# Altium PCB HOUZZkitF1_Tester.PcbDoc (part 1 of 2)
Units mil, origin at the board's own origin, x right, y up, seen from the top; angles counter-clockwise.
Board outline 7086.61 x 6023.62 mil, 2 copper layers (Top Layer, Bottom Layer), stack 62.192 mil thick; 161 components, 169 nets, 789 pads, 406 vias.
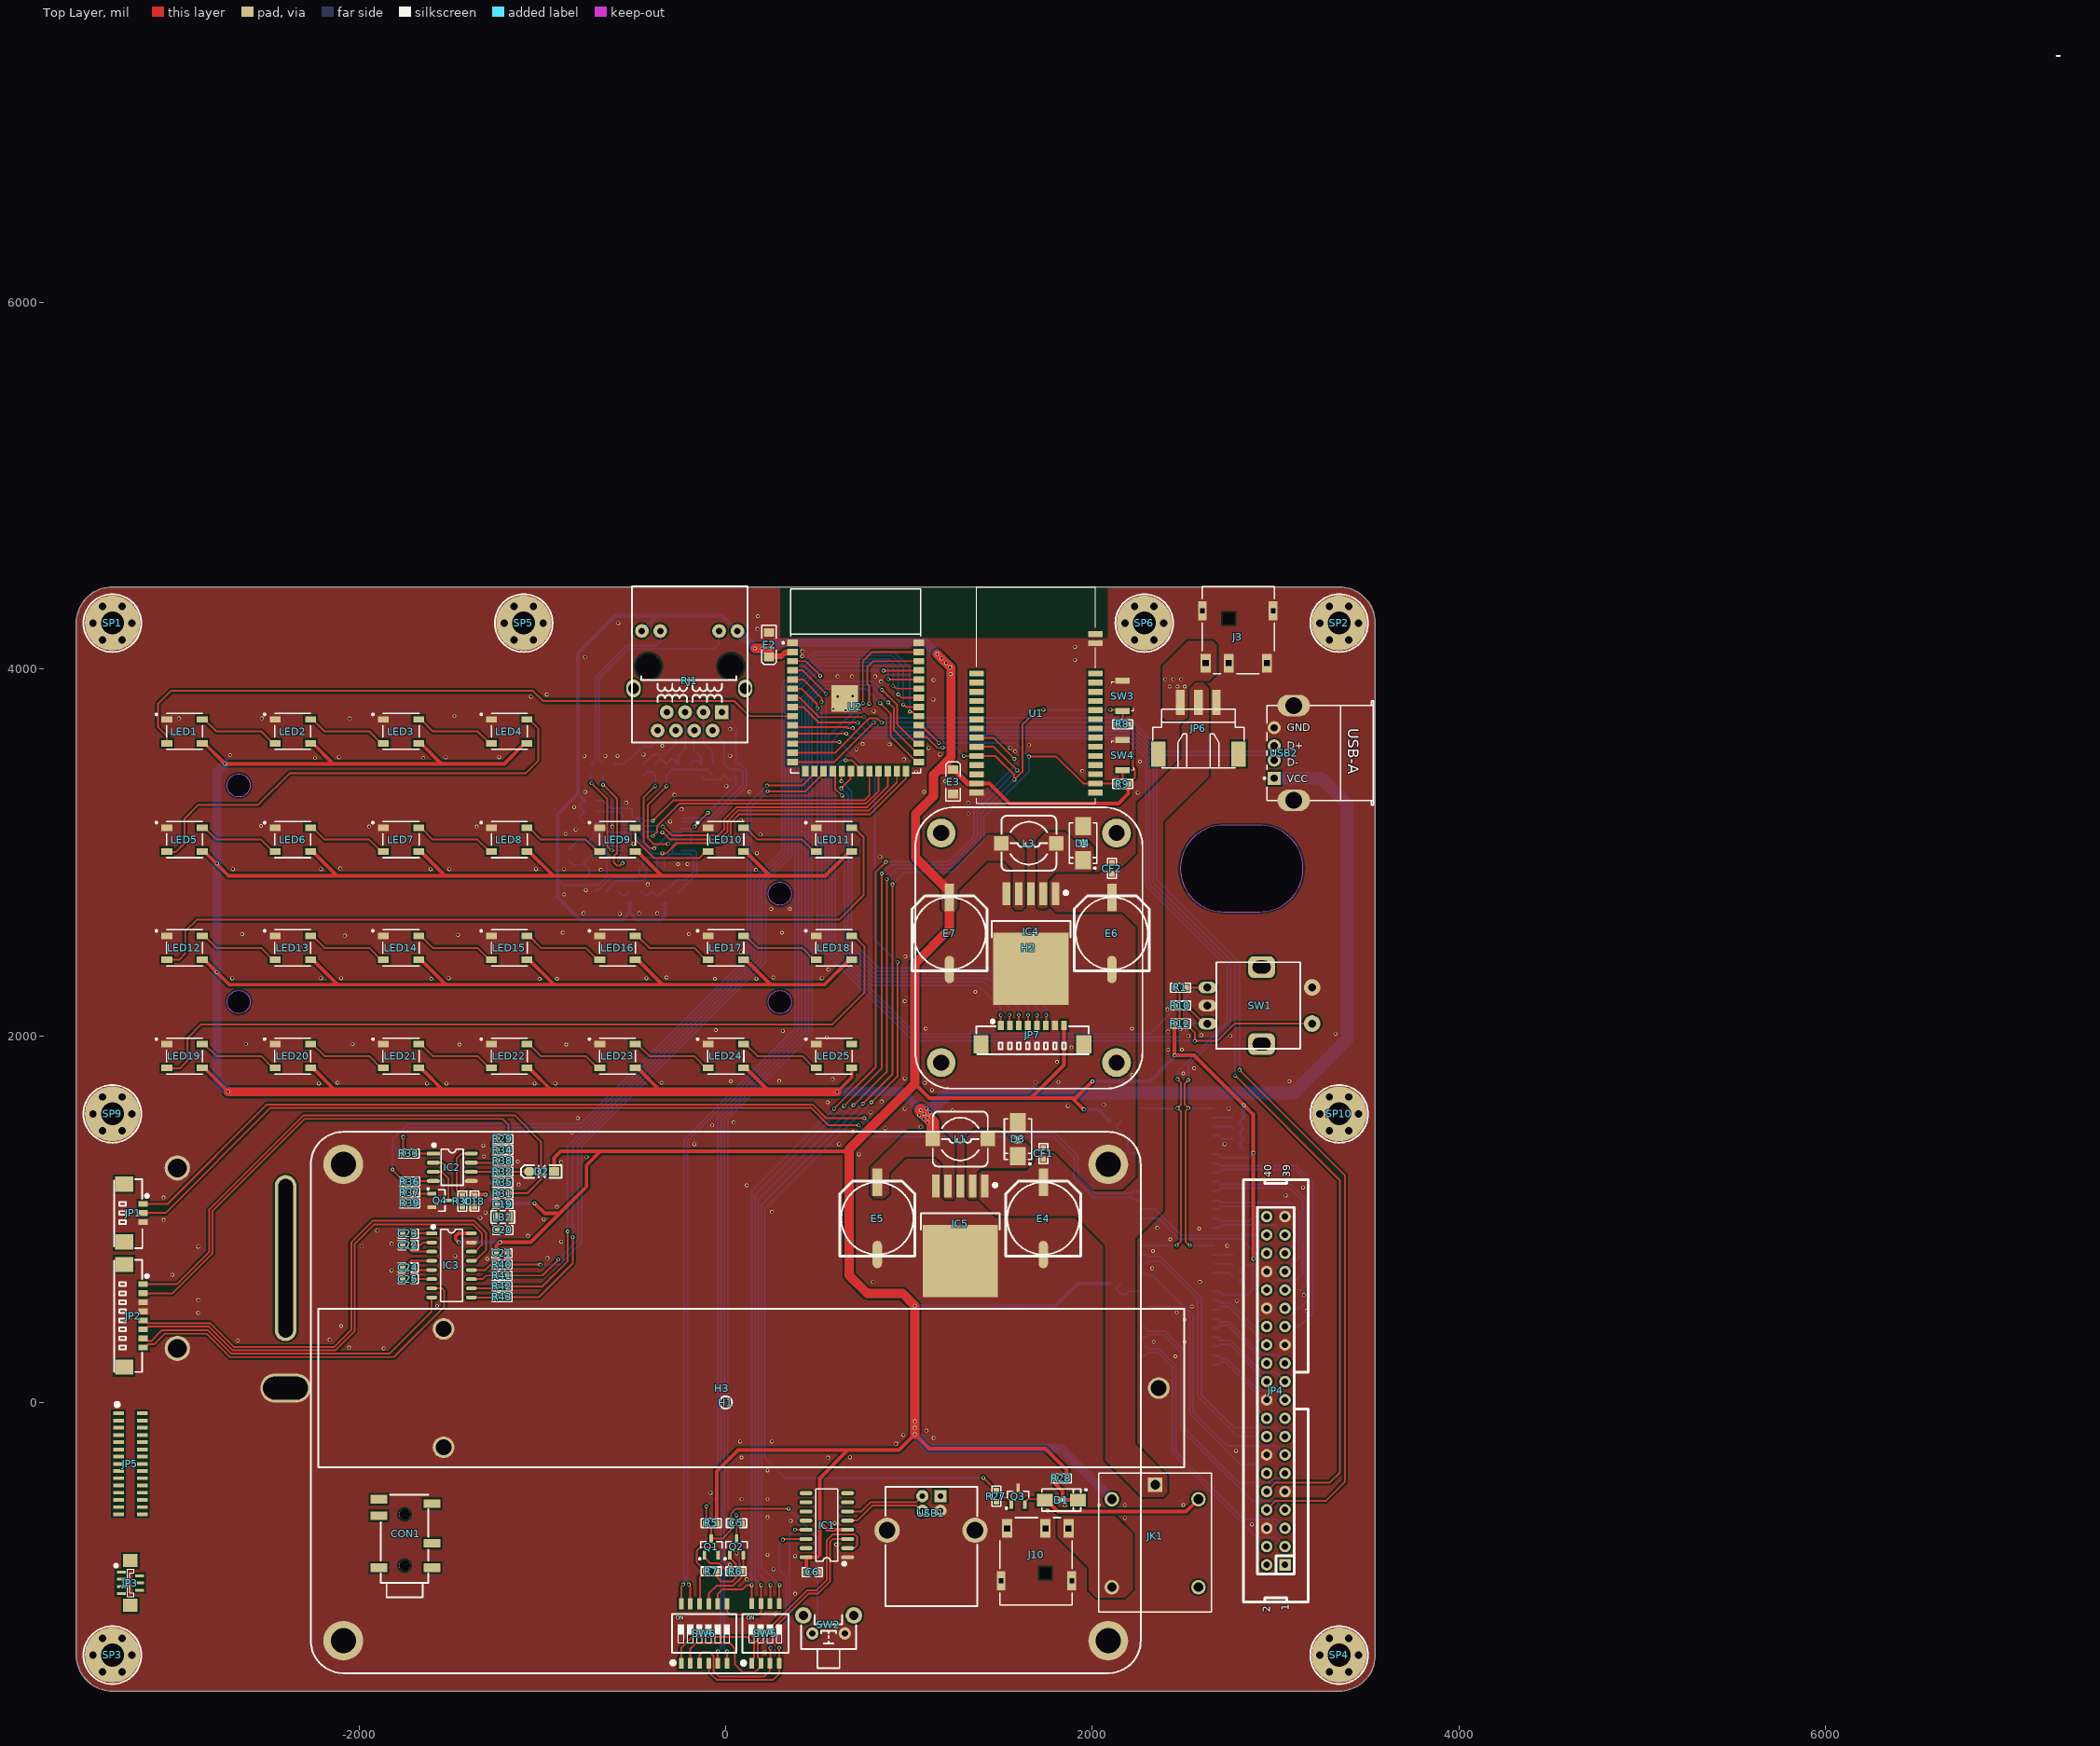
[diagram p0: Top Layer view]
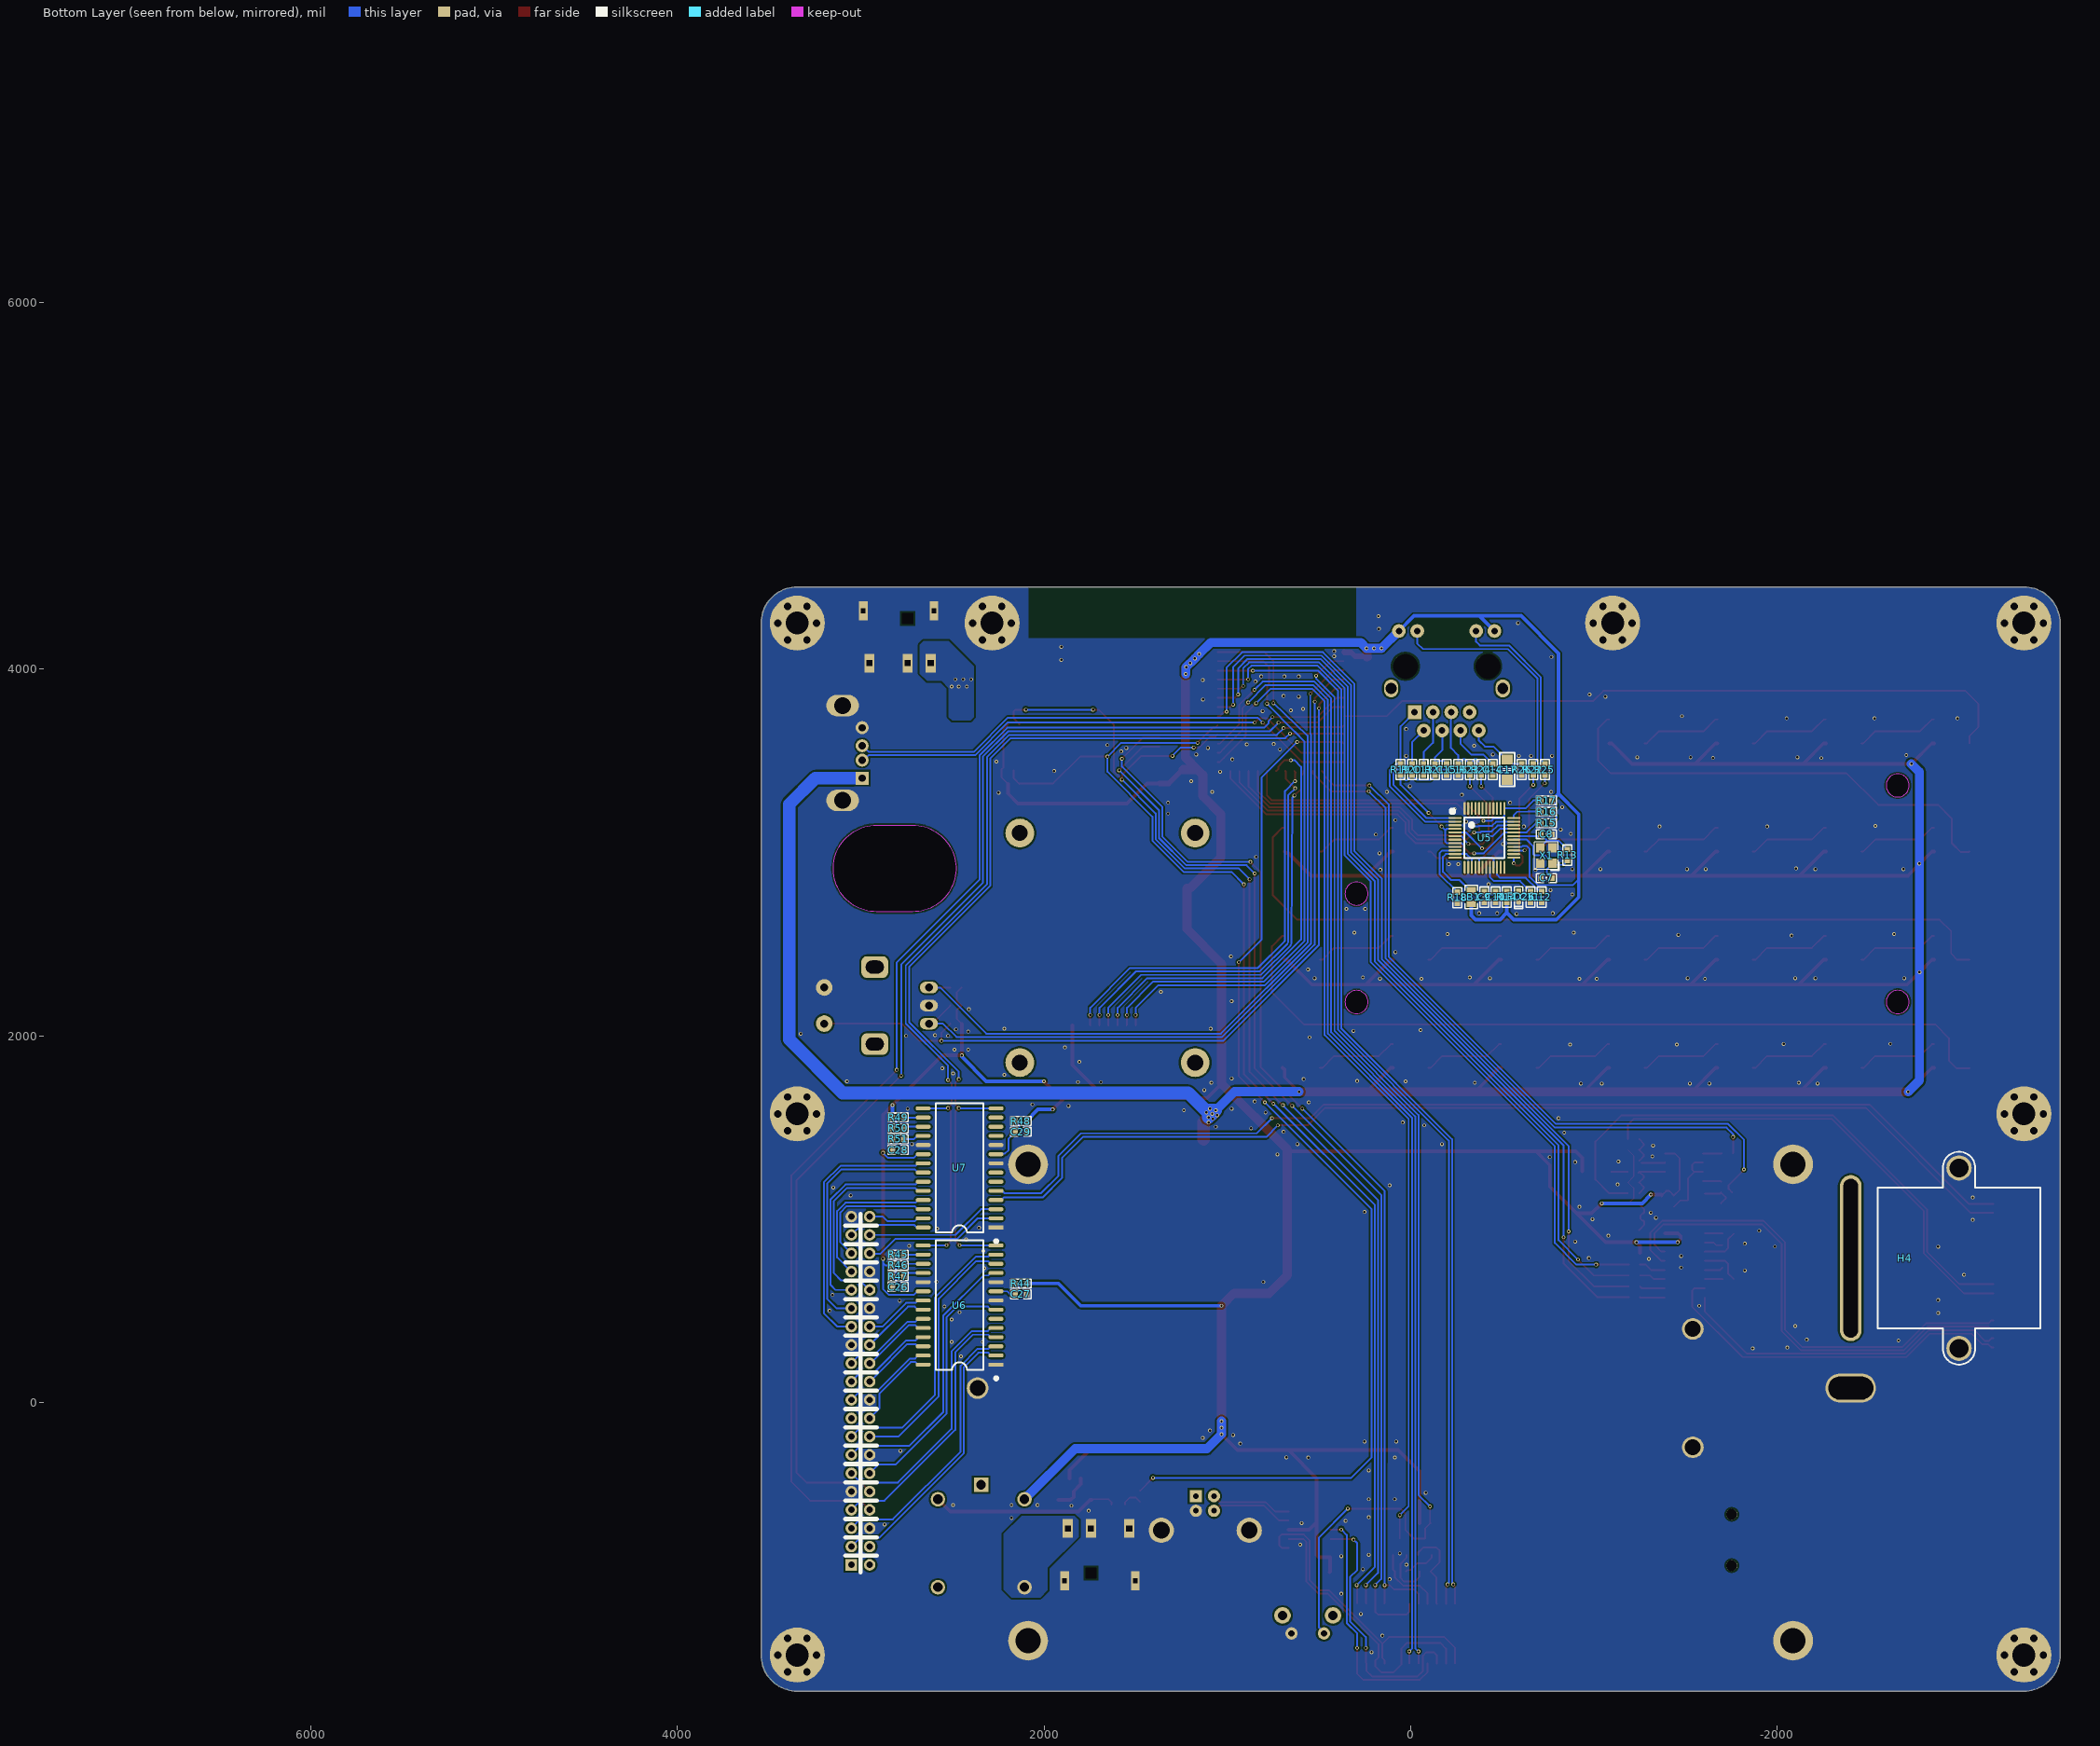
[diagram p1: Bottom Layer view, seen from below]
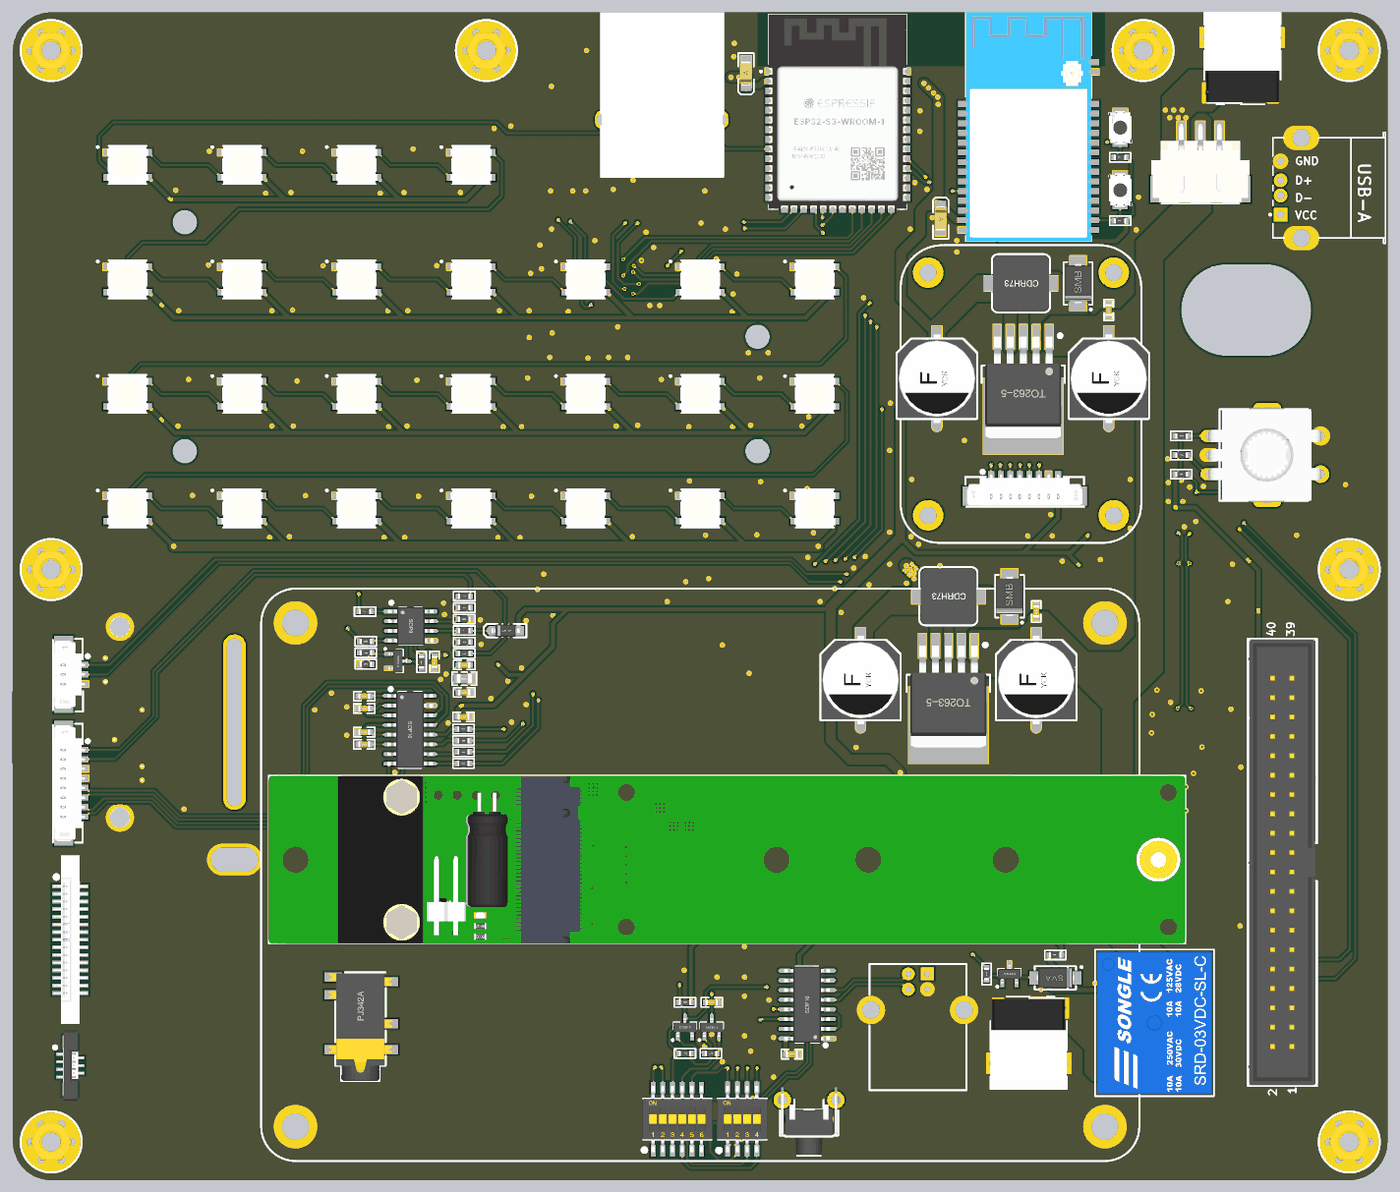
[diagram p3: 3D render of the assembled board from above, using the file's embedded part models]
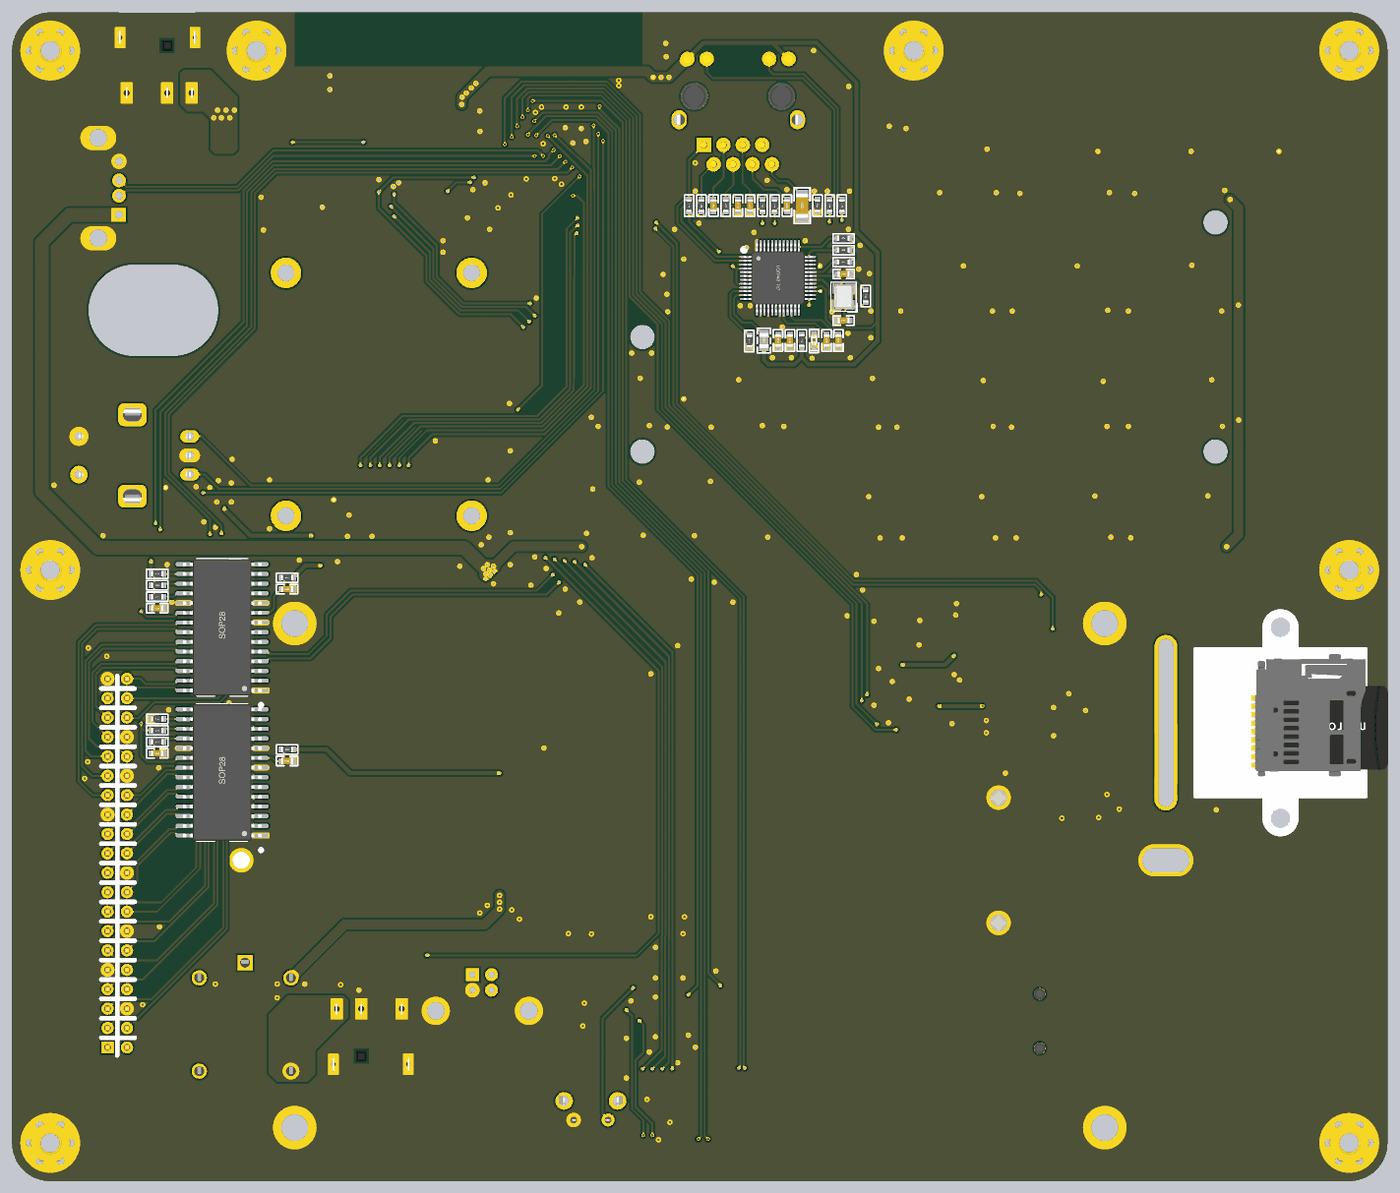
[diagram p4: 3D render of the assembled board from below, using the file's embedded part models]

## Layer stack, top to bottom
Top Solder: solder mask 0.4, Solder Resist, Dk 3.5
Top Layer: signal copper 1.4
Dielectric 1: dielectric 59.3921, FR-4, Dk 4.8
Bottom Layer: signal copper 1.4
Bottom Solder: solder mask 0.4, Solder Resist, Dk 3.5

## Board outline
-3543.31,-1377.95 -3543.31,4251.97 cw(c-3346.46,4251.97) -3346.46,4448.82 3346.46,4448.82 cw(c3346.46,4251.97) 3543.31,4251.97 3543.31,-1377.95 cw(c3346.46,-1377.95) 3346.46,-1574.8 -3346.46,-1574.8 cw(c-3346.46,-1377.95)
cut-out: 295.28,2712.6 cw(c295.28,2775.59) 232.28,2775.59 cw(c295.28,2775.59) 295.28,2838.58 cw(c295.28,2775.59) 358.27,2775.59 cw(c295.28,2775.59)
cut-out: 295.28,2122.05 cw(c295.28,2185.04) 232.28,2185.04 cw(c295.28,2185.04) 295.28,2248.03 cw(c295.28,2185.04) 358.27,2185.04 cw(c295.28,2185.04)
cut-out: 2716.54,2677.17 2913.39,2677.17 ccw(c2913.39,2913.39) 2913.39,3149.61 2716.54,3149.61 ccw(c2716.54,2913.39)
cut-out: -2657.48,2122.05 cw(c-2657.48,2185.04) -2720.47,2185.04 cw(c-2657.48,2185.04) -2657.48,2248.03 cw(c-2657.48,2185.04) -2594.49,2185.04 cw(c-2657.48,2185.04)
cut-out: -2657.48,3303.15 cw(c-2657.48,3366.14) -2720.47,3366.14 cw(c-2657.48,3366.14) -2657.48,3429.13 cw(c-2657.48,3366.14) -2594.49,3366.14 cw(c-2657.48,3366.14)

## Design rules (kind name [scope] priority, off if disabled: settings)
Clearance [All] p1: gap=10 ignorepadtopadclearanceinfootprint=FALSE except(0: Arc-Hole Track-Hole SMDPad-Hole THPad-Hole Via-Hole Fill-Hole Poly-Hole Region-Hole Text-Hole; 6: Arc-SMDPad Arc-THPad Track-SMDPad Track-THPad SMDPad-SMDPad THPad-THPad; 8: Arc-Arc Arc-Track Track-Track)
Height [All] p1: minheight=0 maxheight=3000 prefheight=500
PolygonConnect [All] p1: connectstyle=Direct reliefconductorwidth=10 reliefentries=4 polygonreliefangle="90 Angle" airgapwidth=10
RoutingVias [All] p1: holewidth=12 width=20 viastyle="Through Hole" minholewidth=12 minwidth=20 maxholewidth=28 maxwidth=50
SolderMaskExpansion [All] p1: expansion=4 istentingtop=FALSE
Width [All] p1: maxlimit=100 minlimit=6 preferedwidth=10
29 further rules are at their usual default settings.

## Components (designator, comment, footprint, x,y, rotation, side; value= is the part's Value field where it differs from the comment)
C5 "105" "C 0603_L" 59.06,-657.48 r180 top locked
C6 "104" "C 0603_L" 472.44,-925.2 r180 top locked
C7 "22pF" "C 0603_L" -740.93,2861.09 r180 bottom
C8 "22pF" "C 0603_L" -740.93,3100.5 r0 bottom
C9 "4.7uF" "C 0603_L" -402.93,2757.44 r90 bottom
C10 "0.1uF" "C 0603_L" -464.17,2757.44 r90 bottom
C11 "4.7uF" "C 0603_L" -653.48,2757.44 r270 bottom
C12 "10nF" "C 0603_L" -714.72,2757.44 r270 bottom
C13 "6.8nF" "C 0603_L" -70.87,3452.76 r270 bottom
C14 "6.8nF" "C 0603_L" -448.82,3452.76 r270 bottom
C15 "22nF" "C 0603_L" -196.85,3452.76 r90 bottom
C16 "10nF" "C 0603_L" -259.84,3452.76 r90 bottom
C17 "1nF" "C 1206_L" -527.56,3452.76 r90 bottom
C18 "100nF" "C 0603_L" -1370.08,1098.43 r90 top
C19 "100nF" "C 0603_L" -1216.54,1082.68 r0 top
C20 "100nF" "C 0603_L" -1216.54,940.94 r180 top
C21 "100nF" "C 0603_L" -1220.47,814.96 r180 top
C22 "100nF" "C 0603_L" -1732.28,858.27 r180 top
C23 "100nF" "C 0603_L" -1732.28,921.26 r0 top
C24 "100nF" "C 0603_L" -1732.28,736.22 r180 top
C25 "100nF" "C 0603_L" -1732.28,673.23 r180 top
C26 "0.1uF" "C 0603_L" 2795.28,629.92 r0 bottom
C27 "33pF" "C 0603_L" 2125.98,590.55 r0 bottom
C28 "0.1uF" "C 0603_L" 2795.28,1377.95 r0 bottom
C29 "33pF" "C 0603_L" 2125.98,1476.38 r0 bottom
CF1 "105" "C 0603_L" 1732.28,1358.27 r270 top
CF2 "105" "C 0603_L" 2106.3,2913.39 r270 top
CON1 "PJ342" PJ342A -1751.97,-1062.99 r180 top locked
D1 "M7" SMA 1830.71,-531.5 r0 top
D2 "1N5819" SOD-123 -1003.94,1259.84 r180 top
D3 "1N5822" SMB 1594.49,1437.01 r270 top
D4 "1N5822" SMB 1948.82,3051.18 r270 top
E2 "100uF/6.3V" "CD A(3216)" 236.22,4133.86 r90 top
E3 "100uF/6.3V" "CD A(3216)" 1240.16,3385.83 r270 top locked
E4 "470uF/35V" "CM F(10*10.2)" 1732.28,1003.94 r90 top
E5 "470uF/35V" "CM F(10*10.2)" 826.77,1003.94 r90 top
E6 "470uF/35V" "CM F(10*10.2)" 2106.3,2559.06 r90 top
E7 "470uF/35V" "CM F(10*10.2)" 1220.47,2559.06 r90 top
H1 "HOUZZkit-F1" HOUZZKIT-F1 0,0 r180 top locked
H2 "1.69SPI_Display" 1.69SPI_DISPLAY 1653.54,2480.31 r0 top locked
H3 "R44SF" R44SF 2362.2,78.74 r0 top locked
H4 "tfcard_test_wire_female" TFCARD_TEST_WIRE_FEMALE -2992.13,787.4 r270 bottom locked
IC1 "CH340C" SOP16_N 551.18,-669.29 r180 top locked
IC2 "SP3485" SOP8_N -1492.13,1283.46 r0 top locked
IC3 "MAX232" SOP16_L -1496.06,748.03 r0 top locked
IC4 "LM2596-5.0V" TO263-5A 1665.35,2775.59 r180 top locked
IC5 "LM2596-3.3V" TO263-5A 1279.53,1181.1 r180 top
J3 "DC-044A" DC-044A 2795.28,4212.6 r270 top locked
J10 "DC-044A" DC-044A 1692.91,-866.14 r90 top locked
JK1 "SRD-03VDC-SL-C" SRD-03VDC-SL-C 2342.52,-767.72 r90 top
JP1 "HDR-1X3" "MX 1.25-LS-3P" -3267.72,1181.1 r270 top locked
JP2 "HDR-1X8" "MX 1.25-LS-8P" -3267.72,472.44 r270 top locked
JP3 "FPC1.0-7P" "FPC0.5 K-A-7PB" -3248.03,-984.25 r270 top locked
JP4 "Header 2X11" IDC2.54-LI-2x20P 3051.18,-885.83 r90 top
JP5 "FPC1.0-15P" FPC1.0-2H-LI-15P -3248.03,-334.65 r270 top locked
JP6 "HDR-1X3" XH2.54-WS-3P 2578.74,3622.05 r0 top locked
JP7 "HDR-1X8" "MX 1.25-LS-8P" 1673.23,1968.5 r0 top locked
L1 "33uH" CDRH73 1279.53,1437.01 r180 top
L3 "33uH" CDRH73 1653.54,3051.18 r180 top
LB1 "120R@100MHz" "FB 0805_L" -330.54,2757.44 r90 bottom
LB2 "120R@100MHz" "FB 0805_L" -1216.54,1011.81 r180 top
LED1 "WS2812B" WRSM-SMD5050-4_V -2952.76,3661.42 r180 top locked
LED2 "WS2812B" WRSM-SMD5050-4_V -2362.2,3661.42 r180 top locked
LED3 "WS2812B" WRSM-SMD5050-4_V -1771.65,3661.42 r180 top locked
LED4 "WS2812B" WRSM-SMD5050-4_V -1181.1,3661.42 r180 top locked
LED5 "WS2812B" WRSM-SMD5050-4_V -2952.76,3070.87 r180 top locked
LED6 "WS2812B" WRSM-SMD5050-4_V -2362.2,3070.87 r180 top locked
LED7 "WS2812B" WRSM-SMD5050-4_V -1771.65,3070.87 r180 top locked
LED8 "WS2812B" WRSM-SMD5050-4_V -1181.1,3070.87 r180 top locked
LED9 "WS2812B" WRSM-SMD5050-4_V -590.55,3070.87 r180 top locked
LED10 "WS2812B" WRSM-SMD5050-4_V 0,3070.87 r180 top locked
LED11 "WS2812B" WRSM-SMD5050-4_V 590.55,3070.87 r180 top locked
LED12 "WS2812B" WRSM-SMD5050-4_V -2952.76,2480.31 r180 top locked
LED13 "WS2812B" WRSM-SMD5050-4_V -2362.2,2480.31 r180 top locked
LED14 "WS2812B" WRSM-SMD5050-4_V -1771.65,2480.31 r180 top locked
LED15 "WS2812B" WRSM-SMD5050-4_V -1181.1,2480.31 r180 top locked
LED16 "WS2812B" WRSM-SMD5050-4_V -590.55,2480.31 r180 top locked
LED17 "WS2812B" WRSM-SMD5050-4_V 0,2480.31 r180 top locked
LED18 "WS2812B" WRSM-SMD5050-4_V 590.55,2480.31 r180 top locked
LED19 "WS2812B" WRSM-SMD5050-4_V -2952.76,1889.76 r180 top locked
LED20 "WS2812B" WRSM-SMD5050-4_V -2362.2,1889.76 r180 top locked
LED21 "WS2812B" WRSM-SMD5050-4_V -1771.65,1889.76 r180 top locked
LED22 "WS2812B" WRSM-SMD5050-4_V -1181.1,1889.76 r180 top locked
LED23 "WS2812B" WRSM-SMD5050-4_V -590.55,1889.76 r180 top locked
LED24 "WS2812B" WRSM-SMD5050-4_V 0,1889.76 r180 top locked
LED25 "WS2812B" WRSM-SMD5050-4_V 590.55,1889.76 r180 top locked
LED26 "红色" "LED 0603B" -589.45,2760.22 r270 bottom
Q1 "SS8050" SOT23-3N -78.74,-787.4 r0 top locked
Q2 "SS8050" SOT23-3N 59.06,-787.4 r0 top locked
Q3 "SS8550" SOT23-3N 1594.49,-511.81 r0 top
Q4 "S8050" SOT23-3N -1559.06,1102.36 r270 top
R1 "10K" "R 0603_L" 2480.31,2263.78 r0 top
R5 "10K" "R 0603_L" -78.74,-657.48 r0 top locked
R6 "10K" "R 0603_L" 55.12,-921.26 r180 top locked
R7 "10K" "R 0603_L" -78.74,-921.26 r0 top locked
R8 "10K" "R 0603_L" 2165.35,3700.79 r0 top
R9 "10K" "R 0603_L" 2165.35,3374.02 r0 top
R10 "10K" "R 0603_L" 2480.31,2165.35 r0 top
R12 "10K" "R 0603_L" 2480.32,2066.93 r0 top
R13 "1M" "R 0603_L" -855.07,2986.36 r270 bottom
R14 "1K" "R 0603_L" -525.42,2757.44 r270 bottom
R15 "10K" "R 0603_L" -740.93,3161.75 r180 bottom
R16 "10K" "R 0603_L" -740.93,3222.99 r180 bottom
R17 "10K" "R 0603_L" -740.93,3284.24 r180 bottom
R18 "12.4K" "R 0603_L" -255.38,2754.66 r90 bottom
R19 "51R" "R 0603_L" 55.12,3452.76 r270 bottom
R20 "51R" "R 0603_L" -7.87,3452.76 r270 bottom
R21 "10R" "R 0603_L" -133.86,3452.76 r270 bottom
R22 "330R" "R 0603_L" -669.29,3452.76 r270 bottom
R23 "82R" "R 0603_L" -322.83,3452.76 r270 bottom
R24 "82R" "R 0603_L" -385.83,3452.76 r270 bottom
R25 "330R" "R 0603_L" -732.28,3452.76 r270 bottom
R26 "1M" "R 0603_L" -606.3,3452.76 r90 bottom
R27 "1K" "R 0603_L" 1476.38,-511.81 r90 top
R28 "1K" "R 0603_L" 1830.71,-413.39 r0 top
R29 "0R" "R 0603_L" -1216.54,1437.01 r180 top
R30 "10K" "R 0603_L" -1437.01,1098.43 r90 top
R31 "0R" "R 0603_L" -1216.54,1141.73 r180 top
R32 "3.3K" "R 0603_L" -1216.54,1259.84 r0 top
R33 "22R" "R 0603_L" -1728.35,1358.27 r0 top
R34 "60.4R" "R 0603_L" -1216.54,1377.95 r180 top
R35 "60.4R" "R 0603_L" -1216.54,1200.79 r180 top
R36 "22R" "R 0603_L" -1724.41,1204.72 r180 top
R37 "10K" "R 0603_L" -1724.41,1145.67 r180 top
R38 "3.3K" "R 0603_L" -1216.54,1318.9 r180 top
R39 "51K" "R 0603_L" -1724.41,1086.61 r0 top
R40 "22R" "R 0603_L" -1220.47,751.97 r180 top
R41 "22R" "R 0603_L" -1220.47,692.91 r180 top
R42 "22R" "R 0603_L" -1220.47,633.86 r180 top
R43 "22R" "R 0603_L" -1220.47,574.8 r180 top
R44 "3.9K" "R 0603_L" 2125.98,649.61 r0 bottom
R45 "10K" "R 0603_L" 2795.28,807.09 r0 bottom
R46 "10K" "R 0603_L" 2795.28,748.03 r0 bottom
R47 "10K" "R 0603_L" 2795.28,688.98 r0 bottom
R48 "3.9K" "R 0603_L" 2125.98,1535.43 r0 bottom
R49 "10K" "R 0603_L" 2795.28,1555.12 r0 bottom
R50 "10K" "R 0603_L" 2795.28,1496.06 r0 bottom
R51 "10K" "R 0603_L" 2795.28,1437.01 r0 bottom
RJ1 "HR911105A" RJ-45A12 -196.85,4015.75 r180 top locked
SP1 "M3铜柱" M3x4_N -3346.46,4251.97 r0 top locked
SP2 "M3铜柱" M3x4_N 3346.46,4251.97 r0 top locked
SP3 "M3铜柱" M3x4_N -3346.46,-1377.95 r0 top locked
SP4 "M3铜柱" M3x4_N 3346.46,-1377.95 r0 top locked
SP5 "M3铜柱" M3x4_N -1102.36,4251.97 r0 top
SP6 "M3铜柱" M3x4_N 2283.46,4251.97 r0 top
SP9 "M3铜柱" M3x4_N -3346.46,1574.8 r0 top
SP10 "M3铜柱" M3x4_N 3346.46,1574.8 r0 top
SW1 "EC11" EC11 2913.39,2165.35 r180 top locked
SW2 "6x6x5" "TSW DIP-6*6*6_V" 561.02,-1259.84 r0 top
SW3 "2x4x2" TS3x4x2 2165.35,3854.33 r0 top
SW4 "2x4x2" TS3x4x2 2165.35,3531.5 r180 top
SW5 "CSW-4P" "CSW1.27 SMD-4P" 216.54,-1259.84 r0 top locked
SW6 "CSW-6P" "CSW1.27 SMD-6P" -118.11,-1259.84 r0 top locked
U1 "RF-BM-2652P2" RF-BM-2652P2 1692.77,3326.77 r0 top locked
U2 "ESP32-S3-WROOM-1-N8R8" ESFS-ESP32-S3-WROOM-1_V 708.66,3937.01 r0 top locked
U5 "W5500" "LQFP48 7X7_N" -402.93,3080.37 r270 bottom
U6 "MCP23016" SOP28_N 2460.63,531.5 r0 bottom locked
U7 "MCP23016" SOP28_N 2460.63,1279.53 r0 bottom
USB1 "USB" USB-B/S_A 1122.05,-590.55 r0 top locked
USB2 "USB" USB-A/S_A 2992.13,3543.31 r0 top locked
X1 "25M" "OSC 3225-4P" -740.93,2983.58 r90 bottom
